# Altium PCB AD-FMComms3_revA.PcbDoc (part 1 of 5) (continued)
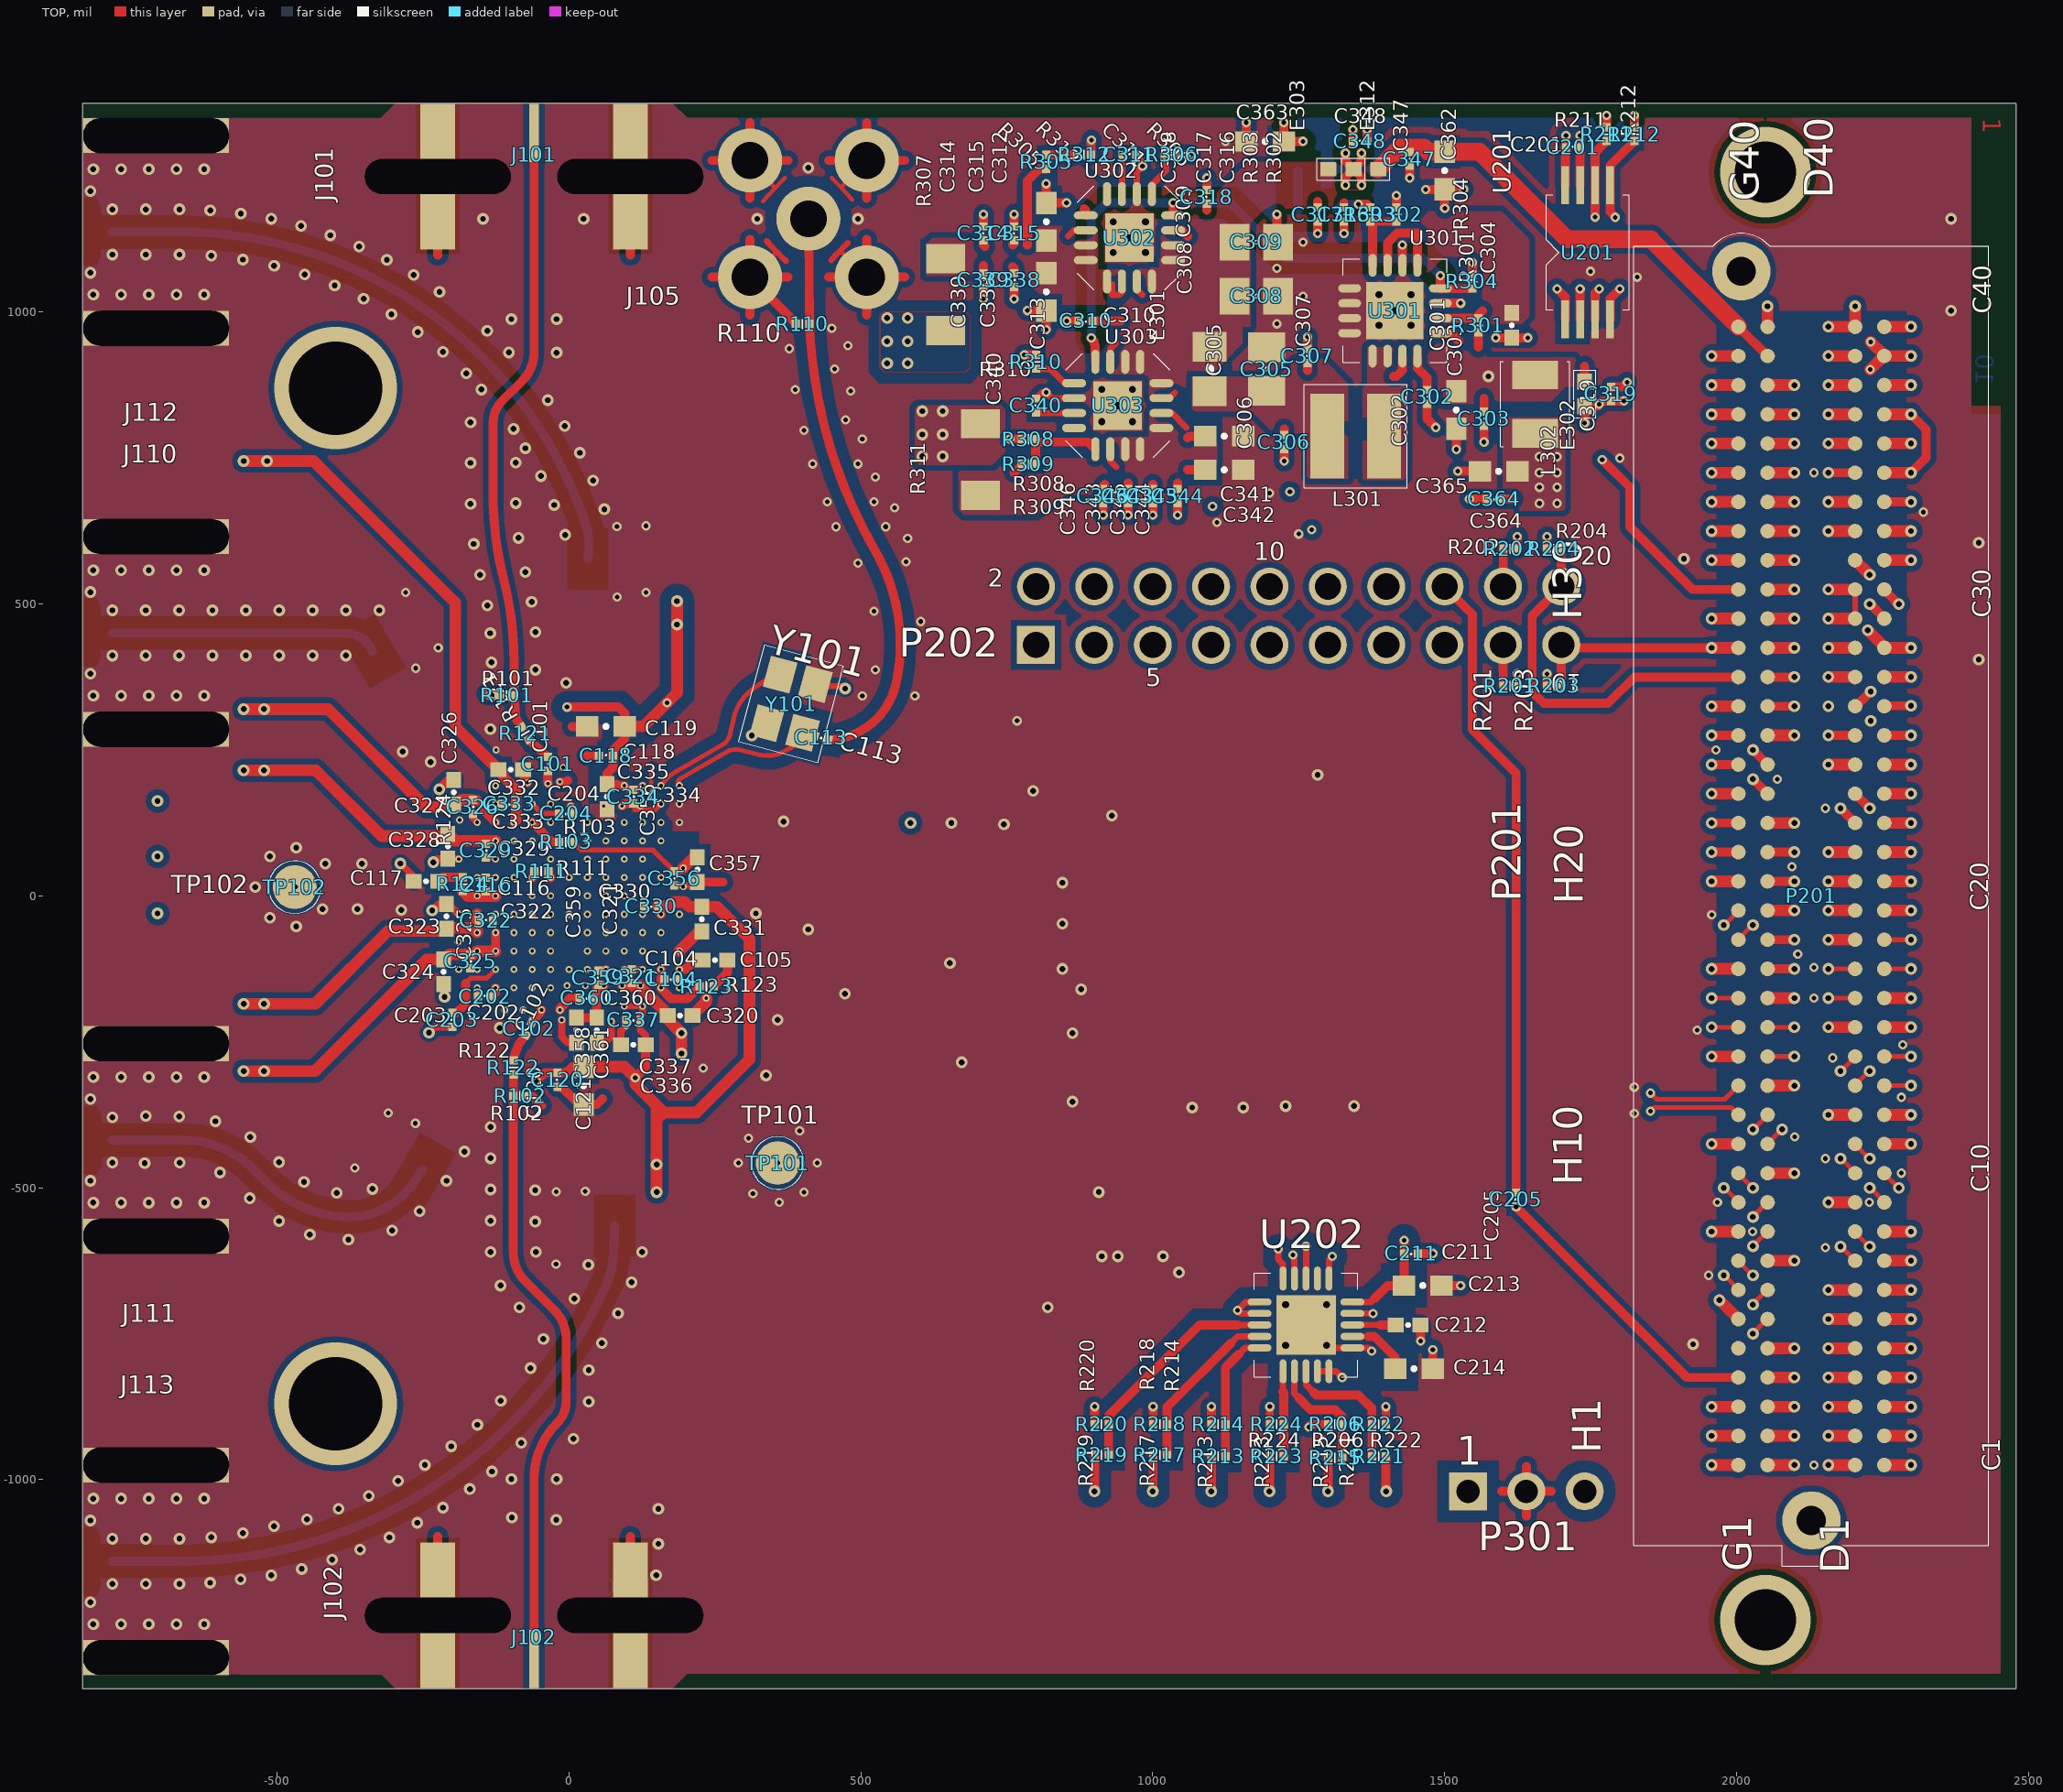
[diagram p0: TOP view]
## Components (designator, comment, footprint, x,y, rotation, side; value= is the part's Value field where it differs from the comment) (continued)
L302 "IND_SM-0.47UH,30,E018627,L1210B" L1210H67 1655,842.5 r90 top
P201 "CN160P_CDGH_SM-ASP-134604-01,EB" CNSAMTECASP-134604-01 2128.27,-6.5 r90 top
P202 "CN20P_TH-SSW-110-02-G-D,E00075B" CNBERGF2X10H335LD32 1250,480 r0 bottom
P301 "CN3P_TH-SAMTECTSW10608GS3PIN,EB" CNBERG1X3H205LD36 1640,-1020 r0 bottom
R101 "RES_SM-49.9,1/20W,1,E007693,R0B" R0201#1 -106.25,343.75 r0 top
R102 "RES_SM-49.9,1/20W,1,E007693,R0B" R0201#1 -83.75,-342.5 r180 top
R103 "RES_SM-10K,1/20W,1,E004011,R02B" R0201#1 -5,92.5 r180 top
R110 "RES_SM-49.9,1/20W,1,E007693,R0B" R0201#1 400,980 r0 top
R111 "RES_SM-10K,1/20W,1,E004011,R02B" R0201#1 -47.5,42.5 r180 top
R121 "RES_SM-10,1/20W,1,E013982,R020A" R0201#1 -75,278.74 r300 top
R122 "RES_SM-10,1/20W,1,E013982,R020A" R0201#1 -95,-293.75 r90 top
R123 "RES_SM-1,1/20W,1,E014056,R0201A" R0201#1 235.75,-154.75 r0 top
R124 "RES_SM-1,1/20W,1,E014056,R0201A" R0201#1 -181.75,20.25 r90 top
R125 "RES_SM-14.3K,1/20W,1,E014068,RB" R0201#1 -101.75,272.75 r90 bottom
R201 "RES_SM-10K,1/20W,1,E004011,R02B" R0201#1 1612.5,360 r0 top
R202 "RES_SM-10K,1/20W,1,E004011,R02B" R0201#1 1612.5,595 r0 top
R203 "RES_SM-10K,1/20W,1,E004011,R02B" R0201#1 1687.5,360 r180 top
R204 "RES_SM-10K,1/20W,1,E004011,R02B" R0201#1 1687.5,595 r180 top
R205 "RES_SM-237,1/10W,1,E010703,R06B" R0603 1282.5,1175 r0 bottom
R206 "RES_SM-16K,1/20W,1,E019648,R02B" R0201#1 1312.5,-905 r0 top
R211 "RES_SM-2K,1/20W,1,E007220,R020A" R0201#1 1777.5,1305 r90 top
R212 "RES_SM-2K,1/20W,1,E007220,R020A" R0201#1 1825,1305 r90 top
R213 "RES_SM-10K,1/20W,1,E004011,R02B" R0201#1 1112.5,-960 r0 top
R214 "RES_SM-16K,1/20W,1,E019648,R02B" R0201#1 1112.5,-905 r0 top
R215 "RES_SM-10K,1/20W,1,E004011,R02B" R0201#1 1312.5,-962.5 r0 top
R217 "RES_SM-10K,1/20W,1,E004011,R02B" R0201#1 1012.5,-957.5 r0 top
R218 "RES_SM-16K,1/20W,1,E019648,R02B" R0201#1 1012.5,-905 r0 top
R219 "RES_SM-10K,1/20W,1,E004011,R02B" R0201#1 912.5,-957.5 r0 top
R220 "RES_SM-16K,1/20W,1,E019648,R02B" R0201#1 912.5,-905 r0 top
R221 "RES_SM-10K,1/20W,1,E004011,R02B" R0201#1 1387.5,-960 r180 top
R222 "RES_SM-16K,1/20W,1,E019648,R02B" R0201#1 1387.5,-905 r180 top
R223 "RES_SM-10K,1/20W,1,E004011,R02B" R0201#1 1212.5,-960 r0 top
R224 "RES_SM-16K,1/20W,1,E019648,R02B" R0201#1 1212.5,-905 r0 top
R225 "RES_SM-49.9,1/20W,1,E007693,R0B" R0201#2 2205,325 r0 bottom
R226 "RES_SM-10K,1/20W,1,E004011,R02B" R0201#2 2205,275 r0 bottom
R301 "RES_SM-10,1/20W,1,E013982,R020A" R0201#1 1557.5,977.5 r270 top
R302 "RES_SM-10K,1/20W,1,E004011,R02B" R0201#1 1417.5,1167.5 r270 top
R303 "RES_SM-20K,1/20W,1,E004013,R02B" R0201#1 1372.5,1167.5 r90 top
R304 "RES_SM-10K,1/20W,1,E004011,R02B" R0201#1 1547.5,1052.5 r90 top
R305 "RES_SM-16K,1/20W,1,E019648,R02B" R0201#1 817.5,1257.5 r270 top
R306 "RES_SM-10K,1/20W,1,E004011,R02B" R0201#1 1032.5,1270 r0 top
R307 "RES_SM-0,1/4W,0,E004448,R1206-A" R1206 645,1030 r270 top
R308 "RES_SM-10K,1/20W,1,E004011,R02B" R0201#1 787.5,782.5 r0 top
R309 "RES_SM-16K,1/20W,1,E019648,R02B" R0201#1 787.5,740 r180 top
R310 "RES_SM-10K,1/20W,1,E004011,R02B" R0201#1 800,915 r90 top
R311 "RES_SM-0,1/4W,0,E004448,R1206-A" R1206 705,747.5 r90 top
R312 "RES_SM-10K,1/20W,1,E004011,R02B" R0201#1 882.5,1270 r180 top
T105 "XFMRTCMXXXX_V3_SM-TCM1-63AX+,EB" TSML150W160H160#1 -262.5,390 r210 bottom
T106 "XFMRTCMXXXX_V3_SM-TCM1-63AX+,EB" TSML150W160H160#1 -263.21,-389.6 r330 bottom
T107 "XFMRTCMXXXX_V3_SM-TCM1-63AX+,EB" TSML150W160H160#2 82.22,514.98 r0 bottom
T108 "XFMRTCMXXXX_V3_SM-TCM1-63AX+,EB" TSML150W160H160#3 27.77,-501.98 r0 bottom
TP101 "NCWP_TH-WP45,E002516,TPC75D45-A" TPC75D45 357.5,-457.5 r0 top
TP102 "NCWP_TH-WP45,E002516,TPC75D45-A" TPC75D45 -470,15 r0 top
TP201 "CNTP1P_SM-TP-108,E000956,TPSM7B" TPSM70X135 1982.5,-650 r270 bottom
TP202 "CNTP1P_SM-TP-108,E000956,TPSM7B" TPSM70X135 2030,-650 r90 bottom
TP203 "CNTP1P_SM-TP-108,E000956,TPSM7B" TPSM70X135 1977.5,-500 r270 bottom
TP204 "CNTP1P_SM-TP-108,E000956,TPSM7B" TPSM70X135 2030,-500 r270 bottom
TP205 "CNTP1P_SM-TP-108,E000956,TPSM7B" TPSM70X135 1855,-370 r270 bottom
TP206 "CNTP1P_SM-TP-108,E000956,TPSM7B" TPSM70X135 1855,-337.5 r270 bottom
TP207 "CNTP1P_SM-TP-108,E000956,TPSM7B" TPSM70X135 1957.5,-225 r0 bottom
TP208 "CNTP1P_SM-TP-108,E000956,TPSM7B" TPSM70X135 1957.5,-175 r0 bottom
TP209 "CNTP1P_SM-TP-108,E000956,TPSM7B" TPSM70X135 2030,-50 r0 bottom
TP210 "CNTP1P_SM-TP-108,E000956,TPSM7B" TPSM70X135 1977.5,-50 r0 bottom
TP211 "CNTP1P_SM-TP-108,E000956,TPSM7B" TPSM70X135 1957.45,125 r0 bottom
TP212 "CNTP1P_SM-TP-108,E000956,TPSM7B" TPSM70X135 2030,-750 r270 bottom
TP213 "CNTP1P_SM-TP-108,E000956,TPSM7B" TPSM70X135 2030,-700 r270 bottom
TP214 "CNTP1P_SM-TP-108,E000956,TPSM7B" TPSM70X135 2030,-600 r270 bottom
TP215 "CNTP1P_SM-TP-108,E000956,TPSM7B" TPSM70X135 2030,-550 r90 bottom
TP216 "CNTP1P_SM-TP-108,E000956,TPSM7B" TPSM70X135 2080,-400 r0 bottom
TP217 "CNTP1P_SM-TP-108,E000956,TPSM7B" TPSM70X135 2030,-400 r0 bottom
TP218 "CNTP1P_SM-TP-108,E000956,TPSM7B" TPSM70X135 2097.5,-275 r90 bottom
TP219 "CNTP1P_SM-TP-108,E000956,TPSM7B" TPSM70X135 2097.5,-225 r270 bottom
TP220 "CNTP1P_SM-TP-108,E000956,TPSM7B" TPSM70X135 2177.5,-600 r0 bottom
TP221 "CNTP1P_SM-TP-108,E000956,TPSM7B" TPSM70X135 2227.5,-600 r0 bottom
TP222 "CNTP1P_SM-TP-108,E000956,TPSM7B" TPSM70X135 2180,-450 r0 bottom
TP223 "CNTP1P_SM-TP-108,E000956,TPSM7B" TPSM70X135 2227.5,-450 r0 bottom
TP224 "CNTP1P_SM-TP-108,E000956,TPSM7B" TPSM70X135 2227.5,-300 r270 bottom
TP225 "CNTP1P_SM-TP-108,E000956,TPSM7B" TPSM70X135 2180,-300 r270 bottom
TP226 "CNTP1P_SM-TP-108,E000956,TPSM7B" TPSM70X135 2160,-175 r0 bottom
TP227 "CNTP1P_SM-TP-108,E000956,TPSM7B" TPSM70X135 2162.5,-125 r0 bottom
TP228 "CNTP1P_SM-TP-108,E000956,TPSM7B" TPSM70X135 2157.45,275 r0 bottom
TP229 "CNTP1P_SM-TP-108,E000956,TPSM7B" TPSM70X135 2157.45,325 r0 bottom
TP230 "CNTP1P_SM-TP-108,E000956,TPSM7B" TPSM70X135 2230,-500 r270 bottom
TP231 "CNTP1P_SM-TP-108,E000956,TPSM7B" TPSM70X135 2280,-500 r270 bottom
TP232 "CNTP1P_SM-TP-108,E000956,TPSM7B" TPSM70X135 2302.5,-325 r270 bottom
TP233 "CNTP1P_SM-TP-108,E000956,TPSM7B" TPSM70X135 2300,-275 r270 bottom
TP234 "CNTP1P_SM-TP-108,E000956,TPSM7B" TPSM70X135 2300,-125 r270 bottom
TP235 "CNTP1P_SM-TP-108,E000956,TPSM7B" TPSM70X135 2300,-75 r270 bottom
TP236 "CNTP1P_SM-TP-108,E000956,TPSM7B" TPSM70X135 2299.09,275 r0 bottom
TP237 "CNTP1P_SM-TP-108,E000956,TPSM7B" TPSM70X135 2299.09,325.82 r0 bottom
TP238 "NCWP_TH-WP45,E002516,TPC75D45-A" TPC75D45 1100,-1020 r0 bottom
TP239 "NCWP_TH-WP45,E002516,TPC75D45-A" TPC75D45 1000,-1020 r0 bottom
TP240 "NCWP_TH-WP45,E002516,TPC75D45-A" TPC75D45 900,-1020 r0 bottom
TP241 "NCWP_TH-WP45,E002516,TPC75D45-A" TPC75D45 1200,-1020 r0 bottom
TP243 "NCWP_TH-WP45,E002516,TPC75D45-A" TPC75D45 1300,-1020 r0 bottom
TP244 "NCWP_TH-WP45,E002516,TPC75D45-A" TPC75D45 1400,-1020 r0 bottom
TP245 "NCWP_TH-WP45,E002516,TPC75D45-A" TPC75D45 -705,162.5 r0 bottom
TP246 "NCWP_TH-WP45,E002516,TPC75D45-A" TPC75D45 -705,-30 r0 bottom
TP247 "NCWP_TH-WP45,E002516,TPC75D45-A" TPC75D45 -705,67.5 r0 bottom
U101 "AD9361_SM-AD9361BBCZ,E011827,BB" BGA144 0,0 r90 bottom
U201 "ICM24CXX_SM-M24C02-WDW6TP,E017B" TSSOP8 1745,1102.5 r0 top
U202 "AD7291_SM-AD7291BCPZ,E017361,QB" QFN20_4X4_PAD2_6X2_6 1262.5,-735 r0 top
U301 "ADP2164_SM-ADP2164ACPZ,E013699B" QFN16_4X4_PAD2_5X2_5 1415,1002.5 r180 top
U302 "ADP1755_SM-ADP1755ACPZ,E012964B" QFN16_4X4_PAD2_1X2_1 960,1127.5 r90 top
U303 "ADP1755_SM-ADP1755ACPZ,E012964B" QFN16_4X4_PAD2_1X2_1 940,840 r180 top
Y101 "XTALOUTD2B0166_SM-40.000000MEGB" XTALNX3225 380.69,329.28 r75 top

## Footprints (in the part's own frame and the unit in brackets; to place one, negate y for a bottom-side part, rotate by r counter-clockwise, add the part's x,y. Pads: shape width x height; smd on the part's side, far side on the other; paste and mask are expansions set on the pad)
BGA144 [mil] "BGA144"
  round 14 smd: A1(-173.23,-173.23) A2(-173.23,-141.73) A3(-173.23,-110.24) A4(-173.23,-78.74) A5(-173.23,-47.24) A6(-173.23,-15.75) A7(-173.23,15.75) A8(-173.23,47.24) A9(-173.23,78.74) A10(-173.23,110.24) A11(-173.23,141.73) A12(-173.23,173.23) B1(-141.73,-173.23) B2(-141.73,-141.73) B3(-141.73,-110.24) B4(-141.73,-78.74) B5(-141.73,-47.24) B6(-141.73,-15.75) B7(-141.73,15.75) B8(-141.73,47.24) B9(-141.73,78.74) B10(-141.73,110.24) B11(-141.73,141.73) B12(-141.73,173.23) C1(-110.24,-173.23) C2(-110.24,-141.73) C3(-110.24,-110.24) C4(-110.24,-78.74) C5(-110.24,-47.24) C6(-110.24,-15.75) C7(-110.24,15.75) C8(-110.24,47.24) C9(-110.24,78.74) C10(-110.24,110.24) C11(-110.24,141.73) C12(-110.24,173.23) D1(-78.74,-173.23) D2(-78.74,-141.73) D3(-78.74,-110.24) D4(-78.74,-78.74) D5(-78.74,-47.24) D6(-78.74,-15.75) D7(-78.74,15.75) D8(-78.74,47.24) D9(-78.74,78.74) D10(-78.74,110.24) D11(-78.74,141.73) D12(-78.74,173.23) E1(-47.24,-173.23) E2(-47.24,-141.73) E3(-47.24,-110.24) E4(-47.24,-78.74) E5(-47.24,-47.24) E6(-47.24,-15.75) E7(-47.24,15.75) E8(-47.24,47.24) E9(-47.24,78.74) E10(-47.24,110.24) E11(-47.24,141.73) E12(-47.24,173.23) F1(-15.75,-173.23) F2(-15.75,-141.73) F3(-15.75,-110.24) F4(-15.75,-78.74) F5(-15.75,-47.24) F6(-15.75,-15.75) F7(-15.75,15.75) F8(-15.75,47.24) F9(-15.75,78.74) F10(-15.75,110.24) F11(-15.75,141.73) F12(-15.75,173.23) G1(15.75,-173.23) G2(15.75,-141.73) G3(15.75,-110.24) G4(15.75,-78.74) G5(15.75,-47.24) G6(15.75,-15.75) G7(15.75,15.75) G8(15.75,47.24) G9(15.75,78.74) G10(15.75,110.24) G11(15.75,141.73) G12(15.75,173.23) H1(47.24,-173.23) H2(47.24,-141.73) H3(47.24,-110.24) H4(47.24,-78.74) H5(47.24,-47.24) H6(47.24,-15.75) H7(47.24,15.75) H8(47.24,47.24) H9(47.24,78.74) H10(47.24,110.24) H11(47.24,141.73) H12(47.24,173.23) J1(78.74,-173.23) J2(78.74,-141.73) J3(78.74,-110.24) J4(78.74,-78.74) J5(78.74,-47.24) J6(78.74,-15.75) J7(78.74,15.75) J8(78.74,47.24) J9(78.74,78.74) J10(78.74,110.24) J11(78.74,141.73) J12(78.74,173.23) K1(110.24,-173.23) K2(110.24,-141.73) K3(110.24,-110.24) K4(110.24,-78.74) K5(110.24,-47.24) K6(110.24,-15.75) K7(110.24,15.75) K8(110.24,47.24) K9(110.24,78.74) K10(110.24,110.24) K11(110.24,141.73) K12(110.24,173.23) L1(141.73,-173.23) L2(141.73,-141.73) L3(141.73,-110.24) L4(141.73,-78.74) L5(141.73,-47.24) L6(141.73,-15.75) L7(141.73,15.75) L8(141.73,47.24) L9(141.73,78.74) L10(141.73,110.24) L11(141.73,141.73) L12(141.73,173.23) M1(173.23,-173.23) M2(173.23,-141.73) M3(173.23,-110.24) M4(173.23,-78.74) M5(173.23,-47.24) M6(173.23,-15.75) M7(173.23,15.75) M8(173.23,47.24) M9(173.23,78.74) M10(173.23,110.24) M11(173.23,141.73) M12(173.23,173.23)
  TOP lines w8: -78.74,47.24 -94.49,62.99 ; -15.75,47.24 -31.5,62.99 ; -78.74,78.74 -94.49,94.49 ; 110.24,78.74 125.98,94.49 ; 141.73,78.74 153.74,90.75 ; -78.74,110.24 -94.49,125.98 ; 110.24,110.24 125.98,125.98 ; 141.73,141.73 157.48,157.48 ; 173.23,141.73 188.98,157.48 ; -141.73,173.23 -157.48,188.98 ; -110.24,173.23 -125.98,188.98 ; -78.74,173.23 -94.49,188.98 ; 141.73,173.23 157.48,188.98 ; 173.23,173.23 188.98,188.98
  TOP lines w10: -31.5,-188.98 -15.75,-173.23 ; 130,-187.5 124.5,-187.5 110.24,-173.23 ; -157.48,-157.48 -141.73,-141.73 ; -125.98,-125.98 -110.24,-110.24 ; -31.5,-125.98 -15.75,-110.24 ; -150.2,-118.7 -141.73,-110.24 ; -157.48,-94.49 -141.73,-78.74 ; -94.49,-94.49 -78.74,-78.74 ; -62.99,-94.49 -47.24,-78.74 ; -31.5,-94.49 -15.75,-78.74 ; 62.99,-94.49 47.24,-78.74 ; 94.49,-94.49 78.74,-78.74 ; 157.48,-94.49 141.73,-78.74 ; -157.48,-62.99 -141.73,-47.24 ; -94.49,-62.99 -78.74,-47.24 ; -62.99,-62.99 -47.24,-47.24 ; -31.5,-62.99 -15.75,-47.24 ; 94.49,-62.99 78.74,-47.24 ; -94.49,-31.5 -78.74,-15.75 ; -62.99,-31.5 -47.24,-15.75 ; 125.98,-31.5 110.24,-15.75 ; 157.48,-31.5 141.73,-15.75 ; -141.73,47.24 -153.74,59.25 ; -15.75,78.74 -31.5,94.49 ; 47.24,110.24 62.99,125.98 ; -173.23,173.23 -188.98,188.98 ; 110.24,173.23 125.98,188.98
  silkscreen extent -242,-247 212,212, body extent -397,-397 397,397, height 150
C0201#1 [mil] "C0201"
  rect 14x14 smd: 1(-12.01,-0.01) 2(11.99,-0.01)
  silkscreen extent -1,0 1,2, body extent -34,-23 34,23, height 150
C0201#2 [mil] "C0201"
  rect 14x14 smd rot 0.03: 1(-12,0) 2(12,0)
  silkscreen extent -1,0 1,2, body extent -34,-23 34,23, height 150
C0201#3 [mil] "C0201"
  rect 14x14 smd rot 0.01: 1(-12,0) 2(12,0)
  silkscreen extent -1,0 1,2, body extent -34,-23 34,23, height 150
C0402 [mil] "C0402"
  rect 27.5x25 smd: 1(-21.25,0) 2(21.25,0)
  silkscreen extent -2,-2 2,2, body extent -41,-19 41,19, height 150
C0603 [mil] "C0603"
  rect 38.5x35 smd: 1(-32.25,0) 2(32.25,0)
  silkscreen extent -3,-3 3,3, body extent -57,-24 57,24, height 150
C0805H60 [mil] "C0805H60"
  rect 51x63 smd: 1(-37.5,0) 2(37.5,0)
  silkscreen extent -3,-3 3,3, body extent -78,-47 78,47, height 150
CNBERG1X3H205LD36 [mil] "CNBERG1X3H205LD36"
  rect 65x65 / inner round 65 / far side rect 65x65 hole 40: 1(-100,0)
  round 65 hole 40: 2(0,0) 3(100,0)
  silkscreen extent -150,-50 150,50, body extent -165,-65 165,65, height 150
CNBERGF2X10H335LD32 [mil] "CNBERGF2X10H335LD32"
  rect 65x65 / inner round 65 / far side rect 65x65 hole 45: 1(-450,50)
  round 65 hole 45: 2(-450,-50) 3(-350,50) 4(-350,-50) 5(-250,50) 6(-250,-50) 7(-150,50) 8(-150,-50) 9(-50,50) 10(-50,-50) 11(50,50) 12(50,-50) 13(150,50) 14(150,-50) 15(250,50) 16(250,-50) 17(350,50) 18(350,-50) 19(450,50) 20(450,-50)
  silkscreen extent -500,-100 500,100, body extent -515,-115 515,115, height 150
CNJOHNSON142-0701-201 [mil] "CNJOHNSON142-0701-201"
  round 110 hole 63: 1(0,0) 2(100,-100) 3(-100,-100) 4(-100,100) 5(100,100)
  silkscreen extent -169,-172 169,172, body extent -170,-170 170,170, height 150
CNJOHNSON142-0701-851#1 [mil] "CNJOHNSON142-0701-851"
  rect 100x17 smd: 1(85,0)
  rect 250x60 / inner oval 250x60 / far side rect 250x60 hole 60 slot 250 at 90 deg: 2(10,165) 4(10,-165)
  round 12 smd: 3(10,165) 5(10,-165)
  body extent -105,-210 105,210, height 150
CNJOHNSON142-0701-851#2 [mil] "CNJOHNSON142-0701-851"
  rect 100x17 smd: 1(-85,0)
  rect 250x60 / inner oval 250x60 / far side rect 250x60 hole 60 slot 250 at 0 deg: 2(-10,-165) 4(-10,165)
  round 12 smd: 3(-10,-165) 5(-10,165)
  body extent -105,-210 105,210, height 150
CNSAMTECASP-134604-01 [mil] "CNSAMTECASP-134604-01"
  round 25 smd: C1(-968.5,-125) C2(-918.5,-125) C3(-868.5,-125) C4(-818.5,-125) C5(-768.5,-125) C6(-718.5,-125) C7(-668.5,-125) C8(-618.5,-125) C9(-568.5,-125) C10(-518.5,-125) C11(-468.5,-125) C12(-418.5,-125) C13(-368.5,-125) C14(-318.5,-125) C15(-268.5,-125) C16(-218.5,-125) C17(-168.5,-125) C18(-118.5,-125) C19(-68.5,-125) C20(-18.5,-125) C21(31.5,-125) C22(81.5,-125) C23(131.5,-125) C24(181.5,-125) C25(231.5,-125) C26(281.5,-125) C27(331.5,-125) C28(381.5,-125) C29(431.5,-125) C30(481.5,-125) C31(531.5,-125) C32(581.5,-125) C33(631.5,-125) C34(681.5,-125) C35(731.5,-125) C36(781.5,-125) C37(831.5,-125) C38(881.5,-125) C39(931.5,-125) C40(981.5,-125) D1(-968.5,-75) D2(-918.5,-75) D3(-868.5,-75) D4(-818.5,-75) D5(-768.5,-75) D6(-718.5,-75) D7(-668.5,-75) D8(-618.5,-75) D9(-568.5,-75) D10(-518.5,-75) D11(-468.5,-75) D12(-418.5,-75) D13(-368.5,-75) D14(-318.5,-75) D15(-268.5,-75) D16(-218.5,-75) D17(-168.5,-75) D18(-118.5,-75) D19(-68.5,-75) D20(-18.5,-75) D21(31.5,-75) D22(81.5,-75) D23(131.5,-75) D24(181.5,-75) D25(231.5,-75) D26(281.5,-75) D27(331.5,-75) D28(381.5,-75) D29(431.5,-75) D30(481.5,-75) D31(531.5,-75) D32(581.5,-75) D33(631.5,-75) D34(681.5,-75) D35(731.5,-75) D36(781.5,-75) D37(831.5,-75) D38(881.5,-75) D39(931.5,-75) D40(981.5,-75) G1(-968.5,75) G2(-918.5,75) G3(-868.5,75) G4(-818.5,75) G5(-768.5,75) G6(-718.5,75) G7(-668.5,75) G8(-618.5,75) G9(-568.5,75) G10(-518.5,75) G11(-468.5,75) G12(-418.5,75) G13(-368.5,75) G14(-318.5,75) G15(-268.5,75) G16(-218.5,75) G17(-168.5,75) G18(-118.5,75) G19(-68.5,75) G20(-18.5,75) G21(31.5,75) G22(81.5,75) G23(131.5,75) G24(181.5,75) G25(231.5,75) G26(281.5,75) G27(331.5,75) G28(381.5,75) G29(431.5,75) G30(481.5,75) G31(531.5,75) G32(581.5,75) G33(631.5,75) G34(681.5,75) G35(731.5,75) G36(781.5,75) G37(831.5,75) G38(881.5,75) G39(931.5,75) G40(981.5,75) H1(-968.5,125) H2(-918.5,125) H3(-868.5,125) H4(-818.5,125) H5(-768.5,125) H6(-718.5,125) H7(-668.5,125) H8(-618.5,125) H9(-568.5,125) H10(-518.5,125) H11(-468.5,125) H12(-418.5,125) H13(-368.5,125) H14(-318.5,125) H15(-268.5,125) H16(-218.5,125) H17(-168.5,125) H18(-118.5,125) H19(-68.5,125) H20(-18.5,125) H21(31.5,125) H22(81.5,125) H23(131.5,125) H24(181.5,125) H25(231.5,125) H26(281.5,125) H27(331.5,125) H28(381.5,125) H29(431.5,125) H30(481.5,125) H31(531.5,125) H32(581.5,125) H33(631.5,125) H34(681.5,125) H35(731.5,125) H36(781.5,125) H37(831.5,125) H38(881.5,125) H39(931.5,125) H40(981.5,125)
  round 100 hole 50 unplated: ""(-1063.5,0) ""(1076.5,120)
  silkscreen extent -1142,-304 1141,304, body extent -1142,-304 1141,304, height 150
L0402 [mil] "L0402"
  rect 27.5x25 smd: 1(-21.25,0) 2(21.25,0)
  silkscreen extent -41,-19 41,19, body extent -41,-19 41,19, height 150
L0805 [mil] "L0805"
  rect 51x58 smd: 1(-38,0) 2(38,0)
  silkscreen extent -4,-4 4,4, body extent -70,-35 70,35, height 150
L0805-F#1 [mil] "L0805-F"
  rect 43x59 smd: 1(41.19,0) 2(-41.19,0)
  silkscreen extent -78,-44 78,69, body extent -78,-44 78,44, height 150
L0805-F#2 [mil] "L0805-F"
  rect 43x59 smd: 1(-41.19,0) 2(41.19,0)
  silkscreen extent -78,-69 78,44, body extent -78,-44 78,44, height 150
L1210H67 [mil] "L1210H67"
  rect 49x79 smd: 1(-50.09,0) 2(50.09,0)
  silkscreen extent -73,-59 73,59, body extent -90,-64 90,64, height 150
LED0603 [mil] "LED0603"
  rect 38x30 smd: A(31.5,0) C(-31.5,0)
  TOP keep-out region: -10,-10 10,-10 10,10 -10,10 -10,-10
  silkscreen extent -72,-31 66,31, body extent -66,-31 66,31, height 150
LSMSQ157H83 [mil] "LSMSQ157H83"
  rect 58x145 smd: 1(-48.5,0) 2(48.5,0)
  silkscreen extent -89,-89 89,89, body extent -94,-94 94,94, height 150
QFN16_4X4_PAD2_1X2_1 [mil] "QFN16_4X4_PAD2_1X2_1"
  oval 14x41 smd: 1(-38.39,-74.8) 2(-12.8,-74.8) 3(12.8,-74.8) 4(38.39,-74.8) 9(38.39,74.8) 10(12.8,74.8) 11(-12.8,74.8) 12(-38.39,74.8)
  oval 41x14 smd: 5(74.8,-38.39) 6(74.8,-12.8) 7(74.8,12.8) 8(74.8,38.39) 13(-74.8,38.39) 14(-74.8,12.8) 15(-74.8,-12.8) 16(-74.8,-38.39)
  rect 83x83 smd: PAD(0,0)
  silkscreen extent -104,-109 89,89, body extent -110,-110 110,110, height 150
QFN16_4X4_PAD2_5X2_5 [mil] "QFN16_4X4_PAD2_5X2_5"
  oval 14x39 smd: 1(-38.39,-77.72) 2(-12.8,-77.72) 3(12.8,-77.72) 4(38.39,-77.72) 9(38.39,77.72) 10(12.8,77.72) 11(-12.8,77.72) 12(-38.39,77.72)
  oval 39x14 smd: 5(77.72,-38.39) 6(77.72,-12.8) 7(77.72,12.8) 8(77.72,38.39) 13(-77.72,38.39) 14(-77.72,12.8) 15(-77.72,-12.8) 16(-77.72,-38.39)
  rect 98x98 smd: PAD(0,0)
  silkscreen extent -133,-133 89,89, body extent -112,-112 112,112, height 150
QFN20_4X4_PAD2_6X2_6 [mil] "QFN20_4X4_PAD2_6X2_6"
  oval 12x41 smd: 1(-39.37,-79.5) 2(-19.69,-79.5) 3(0,-79.5) 4(19.69,-79.5) 5(39.37,-79.5) 11(39.37,79.5) 12(19.69,79.5) 13(0,79.5) 14(-19.69,79.5) 15(-39.37,79.5)
  oval 41x12 smd: 6(79.5,-39.37) 7(79.5,-19.69) 8(79.5,0) 9(79.5,19.69) 10(79.5,39.37) 16(-79.5,39.37) 17(-79.5,19.69) 18(-79.5,0) 19(-79.5,-19.69) 20(-79.5,-39.37)
  rect 102x102 smd: PAD(0,0)
  silkscreen extent -133,-133 89,89, body extent -115,-115 115,115, height 150
R0201#1 [mil] "R0201"
  rect 14x14 smd: 1(-12,0) 2(12,0)
  silkscreen extent 0,-8 0,8, body extent -34,-23 34,23, height 150
R0201#2 [mil] "R0201"
  rect 14x14 smd: 1(12,0) 2(-12,0)
  silkscreen extent 0,-8 0,8, body extent -34,-23 34,23, height 150
R0603 [mil] "R0603"
  rect 38.5x35 smd: 1(-32.25,0) 2(32.25,0)
  silkscreen extent -4,-21 4,22, body extent -57,-24 57,24, height 150
R1206 [mil] "R1206"
  rect 50x67 smd: 1(-61.5,0) 2(61.5,0)
  silkscreen extent -7,-38 7,38, body extent -98,-39 98,39, height 150
TPC75D45 [mil] "TPC75D45"
  round 75 smd: 1(0,0)
  silkscreen extent -45,-45 45,45, body extent -45,-45 45,45, height 150
TPSM70X135 [mil] "TPSM70X135"
  rect 14x30 smd: 1(0,0)
  body extent -13,-20 13,20, height 150
TSML150W160H160#1 [mil] "TSML150W160H160"
  rect 30x65.01 smd: 1(-50,62.5) 2(0,62.5) 3(50,62.5) 4(50,-62.5) 5(0,-62.5) 6(-50,-62.5)
  silkscreen extent -130,-110 90,110, body extent -90,-110 90,110, height 150
TSML150W160H160#2 [mil] "TSML150W160H160"
  rect 30x65 smd: 1(50,-62.5) 2(0,-62.5) 3(-50,-62.5) 4(-50,62.5) 5(0,62.5) 6(50,62.5)
  silkscreen extent -90,-110 130,110, body extent -90,-110 90,110, height 150
TSML150W160H160#3 [mil] "TSML150W160H160"
  rect 30x65 smd: 1(-50,62.5) 2(0,62.5) 3(50,62.5) 4(50,-62.5) 5(0,-62.5) 6(-50,-62.5)
  silkscreen extent -130,-110 90,110, body extent -90,-110 90,110, height 150
TSSOP8 [mil] "TSSOP8"
  rect 13x65 smd: 1(-38.39,-114.96) 2(-12.8,-114.96) 3(12.8,-114.96) 4(38.39,-114.96) 5(38.39,114.96) 6(12.8,114.96) 7(-12.8,114.96) 8(-38.39,114.96)
  silkscreen extent -90,-133 71,99
XTALNX3225 [mil] "XTALNX3225"
  rect 55.01x47 smd: 1(-43.32,-31.51) 2(43.3,-31.51) 3(43.3,31.5) 4(-43.32,31.5)
  silkscreen extent -86,-121 86,70, body extent -86,-70 86,70, height 150

## Free pads (board coordinates)
  round 210 hole 100 square: ""(-400,-870) ""(-400,870)
  round 155 hole 105: ""(2049.61,-1240.52) ""(2049.61,1239.79)

## Via types
v1: diameter 20, hole 10, TOP to BOTTOM, 458 vias
v2: diameter 16, hole 8, TOP to BOTTOM, 196 vias
v3: diameter 12, hole 6, TOP to BOTTOM, 135 vias
v4: diameter 28, hole 12, TOP to BOTTOM, 19 vias
v5: diameter 210, hole 160, TOP to BOTTOM, 2 vias
v6: diameter 155, hole 105, TOP to BOTTOM, 2 vias

## Nets (pads, with @x,y where several pads share a name; then routed paths per layer and width w, separated by ;. In a path a pad name is that pad's centre, name@x,y a point inside that pad or via, vN(x,y) a via of type N, cw(c..) or ccw(c..) an arc to the next point about the centre after c; other vN are vias at no path point)
1P3_SUPPLY_A: C320.1 C321.1 C322.1 C323.1 C326.1 C327.1 C328.1 C329.1 R223.1 R307.2 TP241.1 U101.B9 U101.B10 U101.E2 U101.F2 U101.J3 U101.K3 | length 1890.3
  TOP w10: v3(-157.48,-62.99) v3@-157.48,-62.31 ; C322.1@-157.48,-47.57 ccw(c-160.3,-42.5) C322.1@-154.5,-42.5 ; C329.1@-145.6,94.49 cw(c-148.07,89.5) C329.1@-142.5,89.5
  TOP w15.5: C323.1@-210,-56.25 C323.1@-210,-54.75 ; C326.1@-165,164.5 -157,164.5 -152.75,160.25 ; -152.71,160.25 -145.25,152.79 -145.25,145.25 v3(-125.98,125.98) ; v3(91.01,-153.74) C321.1@107.5,-153.74 ; C321.1@107.5,-149.5 118.27,-149.5 v3(122.51,-153.74) ; v1(1200,-1020) 1200.5,-1019.5 R223.1@1200.5,-960
  TOP w20: v1(-557.5,-185) v1(-522.5,-185) -435,-185 -310,-60 -215.25,-60 -210,-54.75 -165.72,-54.75 -158.16,-62.31 -157.48,-62.31 -157.48,-47.57 v3(-157.48,-31.5) ; v1(-557.5,215) v1(-522.5,215) -433.75,215 -321.25,102.5 -211.25,102.5 C328.1@-207.5,106.25 -195.74,94.49 -145.6,94.49 v3(-125.98,94.49) ; v1(-557.5,320) v1(-522.5,320) -412.5,320 -245,152.5 -201.25,152.5 C327.1@-197.5,156.25 -184.25,164.5 C326.1@-165,164.5 ; C321.1@107.5,-153.74 v3@120.45,-153.74 ; v3(122.51,-153.74) v3@120.45,-153.74 ; v1(192.5,-270) v1(192.5,-235) 168.75,-211.25 C320.1@168.75,-205 168.75,-202.04 v3@120.45,-153.74
  BOTTOM w10: v3(-157.48,-62.99) U101.E2@-141.73,-47.24 ; v3(-157.48,-31.5) U101.F2@-141.73,-15.75 ; v3(-125.98,94.49) U101.J3@-110.24,78.74 ; v3(-125.98,125.98) U101.K3@-110.24,110.24 ; U101.B9@78.74,-141.73 90.75,-153.74 v3(91.01,-153.74) ; U101.B10@110.24,-141.73 122.25,-153.74 v3(122.51,-153.74)
  other v1: 545,912.5 580,912.5 545,950 580,950 545,990 580,990
1P3_SUPPLY_B: C118.2 C119.1 C120.2 C121.1 C324.1 C325.1 C330.1 C331.1 C332.1 C333.1 C334.1 C335.1 C336.1 C337.1 L101.1 L103.1 L105.1 L107.1 R221.1 R311.2 TP244.1 U101.A9 U101.A10 U101.D2 U101.D3 U101.E3 U101.F12 U101.K4 U101.M9 U101.M10 | length 3675.4
  TOP w10: v3(94.49,-188.98) v3(125.99,-188.98)
  TOP w12: v3(94.49,188.98) 101.47,182 C334.1@110,182 119.01,182 v3(125.99,188.98) ; v3(125.99,-188.98) 125.99,-201.01 122,-205 C337.1@122,-212.5 122,-230 131.25,-239.25 C336.1@131.25,-255
  TOP w15: v3(-125.98,-94.49) v3(-125.98,-62.99)
  TOP w15.5: v3(-94.49,125.98) v3@-90.5,129.97 ; v2(-55.6,-316.9) -41.7,-303 C120.2@-20,-303 -5,-303 5.25,-292.75 C121.1@25,-292.75 ; v2(-3.41,323.5) 84.5,323.5 95.5,312.5 C119.1@95.5,290.26 95.5,270 75.25,249.75 C118.2@75.25,240.26 75.25,220 65,209.75 C335.1@65,191.25 80,191.25 82.27,188.98 v3(94.49,188.98) ; v2(113.4,-311.5) 131.25,-293.65 C336.1@131.25,-255 ; C330.1@153,-17.5 153,-27.02 v3(157.49,-31.49) ; v2(167.7,330.8) v2@167.79,330.8 ; R221.1@1399.5,-960 1399.5,-1019.5 v1(1400,-1020)
  TOP w18: C332.1@-121.25,216.25 -113.4,208.4 -113.4,204.69 -90.5,181.79 C333.1@-90.5,157.5 v3@-90.5,129.97
  TOP w20: v1(-557.5,-300) v1(-522.5,-300) -435,-300 -243.75,-108.75 C324.1@-215,-108.75 -214,-109.75 -204.5,-100.25 C325.1@-169.25,-100.25 -163.24,-100.25 v3(-157.48,-94.49) v3(-125.98,-94.49) ; v1(-557.5,745) v1(-517.5,745) -437.5,745 -195,502.5 -195,290 C332.1@-121.25,216.25 ; C121.1@25,-292.75 94.65,-292.75 v2(113.4,-311.5) 113.4,-322.4 150,-359 ; C119.1@95.5,290.26 127.25,290.26 167.79,330.8 185,348.01 v1(185,465) v1(185,505) ; v1(150,-507.5) v1(150,-460) 150,-383 ; C330.1@153,-17.5 173.27,-17.5 180.27,-10.5 197.67,-10.5 205.92,-18.75 C331.1@227.5,-18.75 253.75,-18.75 309,-74 309,-280 218,-371 162,-371 ; 150,-383 150,-359 ; 150,-383 162,-371 ; 150,-359 162,-371
  BOTTOM w10: v3(-157.48,-94.49) U101.D2@-141.73,-78.74 ; v3(-125.98,-94.49) U101.D3@-110.24,-78.74 ; v3(-125.98,-62.99) U101.E3@-110.24,-47.24 ; v3(-94.49,125.98) U101.K4@-78.74,110.24 ; U101.A9@78.74,-173.23 v3(94.49,-188.98) ; U101.M9@78.74,173.23 v3(94.49,188.98) ; U101.A10@110.24,-173.23 v3(125.99,-188.98) ; U101.M10@110.24,173.23 v3(125.99,188.98) ; v3(157.49,-31.49) U101.F12@173.23,-15.75
  BOTTOM w15.5: L105.1@-88.99,-276.5 -88.99,-283.51 v2(-55.6,-316.9) ; L103.1@-41.4,289 -40.4,288 -38.91,288 v2(-3.41,323.5) ; v2(113.4,-311.5) 115.89,-311.5 L107.1@151.39,-276 ; v2(167.7,330.8) 198.98,299.52 L101.1@198.98,288.5
  other v1: 605,753 640,753 605,790.5 640,790.5 605,830.5 640,830.5
1P8V: C308.2 C309.2 C310.1 C316.1 C317.1 C318.1 E301.2 E303.2 R205.2 R303.2 U302.1 U302.2 U302.3 U302.15 U302.16 U303.1 U303.2 U303.3 U303.15 U303.16 | length 261.1
  TOP w11: U303.3@927.2,914.8 927.2,937.52 937.04,947.36 ; U302.15@972.8,1052.7 972.8,1038.62 981.89,1029.53 ; U303.15@1014.8,852.8 1028.88,852.8 1037.97,861.89
  TOP w15.5: C310.1@897,985 945,985 ; U302.3@1034.8,1140.3 1049.7,1140.3 1060,1130 ; 1092.5,1175 C318.1@1092.5,1185.5 ; C317.1@1282.5,1179.5 1282.5,1190 ; C316.1@1327.5,1179.5 1327.5,1187.5 ; v2(1352.5,1185) 1367,1185 R303.2@1372.5,1179.5
  BOTTOM w15.5: R205.2@1314.75,1175 1324.75,1185 v2(1352.5,1185)
3.3VAUX: C201.1 C211.2 C213.1 P201.D32 R211.2 R212.2 R213.1 TP238.1 U201.8 U202.10 U202.16 U202.17 | length 3581.8
  TOP w11: U202.17@1183,-715.31 1150.31,-715.31 v2(1145,-710) 1159.37,-695.63 U202.16@1183,-695.63 ; U202.10@1342,-695.63 1374.37,-695.63 1380,-690
  TOP w15.5: v1(1100,-1020) 1100.5,-1019.5 R213.1@1100.5,-960 ; 1380,-690 1402.5,-667.5 C213.1@1430.25,-667.5 1430.5,-667.25 C211.2@1430.5,-612.5 v2(1430.5,-590) ; U201.8@1706.61,1217.46 1706.61,1281.39 C201.1@1708,1282.5 v2(1708,1302.5) ; R211.2@1777.5,1317 v2(1777.5,1337) ; R212.2@1825,1317 v2(1825,1337)
  TOP w20: P201.D32@2203.27,575 v1(2228.27,550)
  L3_PWR w20: v2(1430.5,-590) 1430.5,-587.5 1352.4,-665.6 1189.4,-665.6 v2(1145,-710) 1137.5,-717.5 1137.5,-982.5 v1(1100,-1020) 1060,-1060 987.5,-1060 967.5,-1040 967.5,-402.5 1550,180 1550,617.5 1597.5,665 1597.5,860 1677.5,940
3P3V: C364.1 C365.1 L302.1 P201.C39 P201.D36 P201.D38 P201.D40 P301.1 R217.1 TP239.1 | length 539.1
  TOP w15.5: v1(1000,-1020) 1000.5,-1019.5 R217.1@1000.5,-957.5 ; C364.1@1597,680 1617.5,680
  TOP w20: v1(2157.45,775) P201.D36@2203.27,775 ; v1(2157.45,875) P201.D38@2203.27,875 ; v1(2157.45,975) P201.D40@2203.27,975 v1(2203.27,1010) ; v2(2229.12,901.78) 2252.34,925 P201.C39@2253.27,925 ; v2(2230.05,949.15) 2253.27,925.93 P201.C39@2253.27,925 ; v1(2299.09,925) P201.C39@2253.27,925
  L3_PWR w24: 1497.48,-1020 P301.1@1540,-1020 ; 1540,-1062.52 P301.1@1540,-1020 ; 1540,-977.48 P301.1@1540,-1020 ; 1582.52,-1020 P301.1@1540,-1020
  other v2: 1662.5,672.5 1692.5,672.5 1662.5,700 1692.5,700 1662.5,725 1692.5,725 1662.5,752.5 1692.5,752.5
12V: P201.C35 P201.C37 P301.3 | length 383.2
  TOP w15.5: v1(2299.09,725) 2325,750.91 2325,799.09 v1(2299.09,825)
  TOP w20: P201.C35@2253.27,725 v1(2299.09,725) ; P201.C37@2253.27,825 v1(2299.09,825)
  L8_PWR w24: 1697.48,-1020 P301.3@1740,-1020 ; 1740,-1062.52 P301.3@1740,-1020 ; 1740,-977.48 P301.3@1740,-1020 ; 1782.52,-1020 P301.3@1740,-1020
AUXADC: C204.2 TP245.1 U101.L5 | length 1429
  TOP w9: v3(-62.99,157.48) -46.76,141.25 -38.16,141.25 -37.93,141.48 -25.07,141.48 -24.84,141.25 C204.2@-17,141.25
  L5_SIG w4.9: v1(-705,162.5) -650,107.5 -650,2.5 -542.5,-105 -407.5,-105 -240,-272.5 -102.5,-272.5 -32.5,-202.5 -32.5,-187.5 -47.5,-172.5 -47.5,-87.5 -40,-80 -27.5,-80 -17.5,-70 -17.5,-57.5 -27.5,-47.5 -37.5,-47.5 -47.5,-37.5 -47.5,130 -62.99,145.49 v3(-62.99,157.48)
  BOTTOM w10: v3(-62.99,157.48) U101.L5@-47.24,141.73
AUXDAC1: C202.2 TP247.1 U101.B3 | length 700.4
  TOP w15.5: C202.2@-132.25,-172.25 -125.99,-165.99 v3(-125.99,-157.48)
  L6_SIG w4.9: v1(-705,67.5) -540,-97.5 -442.5,-97.5 -397.5,-142.5 -140,-142.5 -125.99,-156.51 v3(-125.99,-157.48)
  BOTTOM w10: v3(-125.99,-157.48) -118.71,-150.2
AUXDAC2: C203.2 TP246.1 U101.C3 | length 851.5
  TOP w8: -176.98,-149.48 -168.48,-140.98 -140.98,-140.98 v3(-125.98,-125.98)
  TOP w10: -177.5,-150 -176.98,-149.48
  TOP w15.5: C203.2@-200,-200.5 -193,-200.5 -177.5,-185 -177.5,-150
  L6_SIG w4.9: v1(-705,-30) -585,-150 -470,-150 -422.5,-197.5 -140,-197.5 -110,-167.5 -110,-140 -124.02,-125.98 v3(-125.98,-125.98)
CLK_OUT: C205.1 P201.H4 U101.J6 | length 2599.8
  TOP w15.5: C205.1@1622.5,-532 v2(1622.5,-532.5) 1915,-825 P201.H4@2003.27,-825
  L6_SIG w4.9: v3(-31.5,62.99) -16.93,48.42 -16.93,-170.57 3.75,-191.25 3.75,-218.75 69,-284 69,-294 144.25,-369.25 166.75,-369.25 262.5,-465 262.5,-485 325,-547.5 487.5,-547.5 502.5,-532.5 v2(1622.5,-532.5)
  BOTTOM w10: v3(-31.5,62.99) U101.J6@-15.75,78.74
CTRL_IN0: P201.H28 P202.20 R204.1 U101.C5 | length 4115.7
  TOP w15.5: R204.1@1699.5,595 1699.5,530.5 P202.20@1700,530 1650,480 1650,350 1670,330 1780,330 1825,375 P201.H28@2003.27,375
  L5_SIG w4.9: v3(-62.99,-125.98) -62.99,-138.45 -76.44,-151.9 -76.44,-173.94 -95,-192.5 -95,-199.29 -104.66,-208.95 -115.82,-208.95 -119.8,-205 -210.01,-205 -227.51,-187.5 -242.5,-187.5 -385,-45 -385,102.5 -405,122.5 -405,505 -187.5,722.5 -147.5,722.5 -85,785 335,785 362.5,757.5 555,757.5 570,772.5 675,772.5 700,747.5 1050.6,747.5 1247.5,550.6 1247.5,522.5 1280,490 1525,490 1547.5,512.5 1547.5,537.5 1585,575 1655,575 P202.20@1700,530
  BOTTOM w10: v3(-62.99,-125.98) U101.C5@-47.24,-110.24
CTRL_IN1: P201.H29 P202.19 R203.1 U101.C6 | length 4781.7
  TOP w15.5: R203.1@1699.5,360 1699.5,384.24 1700,384.74 P202.19@1700,430 1705,425 v1(1957.45,425)
  TOP w20: v1(1957.45,425) P201.H29@2003.27,425
  L5_SIG w4.9: v3(-31.5,-125.98) -17.48,-140 33.31,-140 45,-151.69 45,-162.5 57.5,-175 57.5,-285 85,-312.5 85,-512.5 465,-892.5 2164.63,-892.5 2240,-817.13 2240,-809.41 2340,-709.41 2340,210 2300,250 2287.5,250 2272.5,265 2272.5,282.5 2235,320 2227.5,320 2202.5,345 2202.5,360 2162.5,400 2155,400 2110,445 1977.45,445 v1(1957.45,425)
  BOTTOM w10: v3(-31.5,-125.98) U101.C6@-15.75,-110.24
CTRL_IN2: P201.G27 P202.18 R202.1 U101.D6 | length 4814
  TOP w15.5: P202.18@1600,530 1600.5,530.5 R202.1@1600.5,595 ; P201.G27@2053.27,325 v1(2099.09,325)
  L5_SIG w4.9: v3(-31.5,-94.49) -15.99,-110 35,-110 47.96,-122.96 47.96,-130.46 57.79,-140.29 65.29,-140.29 75,-150 75,-157.5 86.25,-168.75 93.75,-168.75 109.06,-184.06 109.06,-204.06 140,-235 140,-392.5 127.5,-405 127.5,-515 457.5,-845 2162.13,-845 2240,-767.13 2240,-759.41 2320,-679.41 2320,128.77 2204.38,244.39 2160.61,244.39 2099.09,305.91 v1(2099.09,325) 2117.5,343.41 2117.5,382.5 2100,400 1875,400 1795,480 1650,480 P202.18@1600,530
CTRL_IN3: P201.G28 P202.17 R201.1 U101.D5 | length 3699.3
  TOP w15.5: P202.17@1600,430 1600,384.74 1600.5,384.24 R201.1@1600.5,360 ; P201.G28@2053.27,375 v1(2099.09,375)
  L5_SIG w4.9: v3(-62.99,-94.49) -62.99,-105.49 -77.5,-120 -77.5,-130 -87.99,-140.49 -197.01,-140.49 -213.75,-123.75 -241.25,-123.75 -306.46,-58.54 -306.46,126.46 -342.5,162.5 -342.5,420 -302.5,460 -265,460 -177.5,547.5 -177.5,555 -42.11,690.39 264.61,690.39 306.25,648.75 608.75,648.75 662.5,702.5 1015,702.5 1147.5,570 1147.5,522.5 1180,490 1240,490 1260,470 1550.1,470 1590.1,430 P202.17@1600,430 1600,427.5 1675,352.5 2076.59,352.5 v1(2099.09,375)

## Text inside footprints (layer, text, board x,y; h text height)
U303: PIN_NUMBER "8" at 837.2,809.95 h25 r180; PIN_NUMBER "6" at 837.2,861.13 h25 r180; PIN_NUMBER "PAD" at 850,848.33 h25 r180; PIN_NUMBER "15" at 994.8,861.13 h25 r180; PIN_NUMBER "16" at 994.8,886.72 h25 r180; PIN_NUMBER "1" at 950.39,923.14 h25 r180; PIN_NUMBER "2" at 924.8,923.14 h25 r180; PIN_NUMBER "3" at 899.2,923.14 h25 r180; PIN_NUMBER "5" at 837.2,886.72 h25 r180; PIN_NUMBER "4" at 873.61,923.14 h25 r180; PIN_NUMBER "9" at 873.61,773.53 h25 r180; PIN_NUMBER "7" at 837.2,835.54 h25 r180; PIN_NUMBER "10" at 868.2,773.53 h25 r180; PIN_NUMBER "13" at 994.8,809.95 h25 r180; PIN_NUMBER "14" at 994.8,835.54 h25 r180; PIN_NUMBER "11" at 893.8,773.53 h25 r180; PIN_NUMBER "12" at 919.39,773.53 h25 r180; PAD_STACK_NAME "QFN16_4X4_PAD2_1X2_1" at 540,630.29 h50 r180; PAD_STACK_NAME "83X83_SM2X2" at 720,1112.57 h50 r180; PAD_STACK_NAME "OB14X41_SM2X2" at 680,1033.83 h50 r180; DISPLAY_TOP "16NOV11" at 498.38,840 h31 r270; DISPLAY_TOP "QA/RGS" at 550.15,840 h31 r270; DISPLAY_TOP "24SEP09" at 577.12,840 h31 r270; DISPLAY_TOP "QA/REP" at 628.89,840 h31 r270; DISPLAY_TOP "06FEB08" at 655.86,840 h31 r270; DISPLAY_TOP "QA/SSD" at 707.63,840 h31 r270; DISPLAY_TOP "05FEB08" at 980.66,840 h31 r270; DISPLAY_TOP "ADI/GMC" at 1020.03,840 h31 r270; ASSEMBLY_TOP "UPN" at 842.61,840 h25 r270; ASSEMBLY_TOP "ADP1755ACPZ" at 841.35,840 h25 r270; NOTES "IS TO BE DETERMINED BY THE RESPONSIBLE ENGINEER AND THE LAYOUT PERSON." at 240,1320.78 h25 r180; NOTES "THE SIZE OF THE VIA BUMPS,QUANTITY AND THE LOCATION ON THE PADDLE PAD" at 250,1281.41 h25 r180; NOTES "TO CONVERT THIS NON-BUMPED FOOTPRINT SYMBOL TO A BUMPED VERSION;" at 300,1163.3 h25 r180; NOTES "REPLACE 83X83_SM2X2.PAD WITH 83X83_SM2X2_BUMP.PAD" at 450,1242.04 h25 r180; NOTES "REPLACE OB14X41_SM2X2.PAD WITH OB14X41_SM2X2_BUMP.PAD" at 410,1202.67 h25 r180
Y101: PIN_NUMBER "4" at 329.05,295.59 h25 r165; PIN_NUMBER "2" at 412.33,362.95 h25 r165; PIN_NUMBER "1" at 389.91,279.28 h25 r165; PIN_NUMBER "3" at 351.47,379.26 h25 r165; PAD_STACK_NAME "XTALNX3225" at -6.4,379.4 h50 r75; PAD_STACK_NAME "55X47" at 499.97,270.51 h50 r75; DISPLAY_TOP "29NOV07" at 348.64,542.18 h31 r165; DISPLAY_TOP "QA/JSM" at 347.22,493.73 h31 r165; DISPLAY_TOP "29NOV07" at 251.58,192.22 h31 r165; DISPLAY_TOP "ADI/GMC" at 239.23,149.26 h31 r165; ASSEMBLY_TOP "UPN" at 368.13,394.36 h25 r165; ASSEMBLY_TOP "40.000000MEGHZ" at 237.75,318.31 h25 r165